# Altium PCB control_PWR_PCB.PcbDoc (part 2 of 2)
Units mm, origin at the board's own origin, x right, y up, seen from the top; angles counter-clockwise.
Board outline 70.25 x 108 mm, 4 copper layers (Top Layer, Layer 2, Layer 3, Bottom Layer), stack 1.369 mm thick; 119 components, 108 nets, 458 pads, 186 vias.
Unrouted connection lines stored in the file: 68.
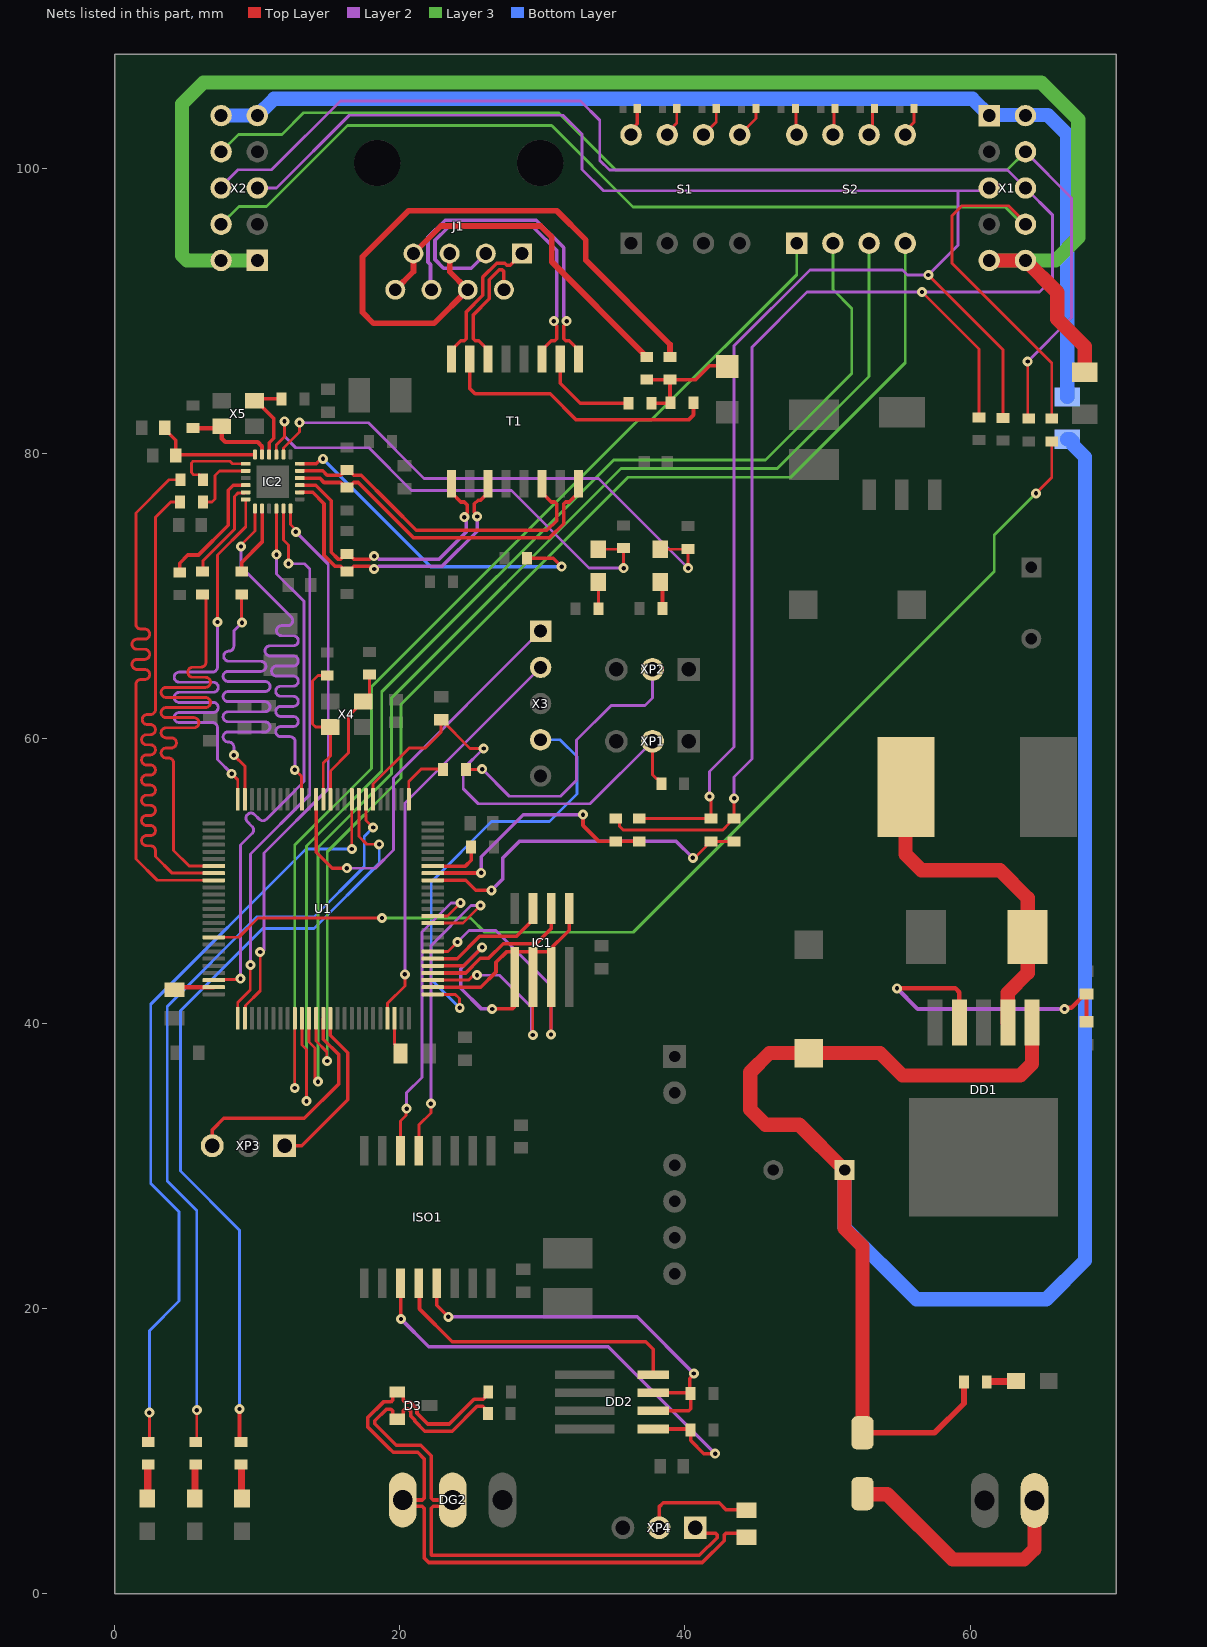
[diagram p4: the nets of this part, all layers, seen from the top]

## Via types
v1: diameter 0.8, hole 0.3, Top Layer to Bottom Layer, tented both sides, 101 vias
v2: diameter 0.7, hole 0.3, Top Layer to Bottom Layer, tented both sides, 85 vias

## Nets (pads, with @x,y where several pads share a name; then routed paths per layer and width w, separated by ;. In a path a pad name is that pad's centre, name@x,y a point inside that pad or via, vN(x,y) a via of type N, cw(c..) or ccw(c..) an arc to the next point about the centre after c; other vN are vias at no path point) (continued)
MAC_b4: S2.1 U1.59 | length 79.3
  Top Layer w0.2: v2(12.625,35.475) U1.59@12.625,40.37
  Layer 3 w0.2: v2(12.625,35.475) 12.625,52.525 18,57.9 18,63.625 36.7,82.325 37.625,82.325 47.84,92.54 S2.1@47.84,94.74
MAC_b5: S2.2 U1.60 | length 88.8
  Top Layer w0.2: U1.60@13.125,40.37 13.125,38.5 13.45,38.175 v2(13.45,34.55)
  Layer 3 w0.2: v2(13.45,34.55) 13.45,52.45 18.725,57.725 18.725,63.275 35,79.55 45.65,79.55 51.7,85.6 51.7,90.175 50.38,91.495 S2.2@50.38,94.74
MAC_b6: S2.3 U1.61 | length 86
  Top Layer w0.2: U1.61@13.625,40.37 13.625,38.7 14.05,38.275 14.05,36.042 14.167,35.925 v2(14.25,35.925)
  Layer 3 w0.2: v2(14.25,35.925) 14.25,52.35 19.4,57.5 19.4,62.825 35.525,78.95 46.475,78.95 52.92,85.395 S2.3@52.92,94.74
MAC_b7: S2.4 U1.62 | length 84.2
  Top Layer w0.2: U1.62@14.125,40.37 14.125,38.766 14.866,38.025 14.866,37.409 v2(14.9,37.375)
  Layer 3 w0.2: v2(14.9,37.375) 14.9,52.05 20.075,57.225 20.075,62.4 36,78.325 47.425,78.325 55.46,86.36 S2.4@55.46,94.74
NetC11_1: C11.1 U1.73 | length 2.6
  Top Layer w0.2: U1.73@19.625,40.37 19.625,38.525 20.05,38.1 C11.1@20.05,37.9
NetC14_2: C14.2 R23.2 U1.6 XP1.2 | length 34.3
  Top Layer w0.2: U1.6@18.125,55.73 18.125,56.8 20.658,59.333 21.617,59.333 21.783,59.333 22.892,60.442 22.892,61.317 C14.2@22.9,61.325 24.925,59.3 v2(25.875,59.3) ; XP1.2@37.725,59.8 37.725,57.45 38,57.175 38.1,57.175 38.35,56.925 R23.2@38.35,56.825
  Layer 2 w0.2: v2(25.875,59.3) 24.45,57.875 24.45,56.475 25.5,55.425 33.35,55.425 XP1.2@37.725,59.8
NetC15_2: C15.2 U1.12 X4.3 | length 9.9
  Top Layer w0.2: U1.12@15.125,55.73 15.125,57.725 16.4,59 16.4,61.575 16.875,62.05 16.875,62.15 17.325,62.6 X4.3@17.425,62.6 17.875,63.05 C15.2@17.875,64.475
NetC17_2: C17.2 U1.13 X4.1 | length 10.8
  Top Layer w0.2: U1.13@14.625,55.73 14.625,58.275 15.125,58.775 X4.1@15.125,60.8 14.1,60.8 13.875,61.025 13.875,64.025 14.267,64.417 14.892,64.417 C17.2@14.9,64.425
NetC23_1: C23.1 R36.1 R37.1 R38.1 R40.1 | length 9.1
  Top Layer w0.25: R38.1@37.325,85.17 R40.1@38.95,85.17 ; R36.1@37.65,83.525 38.975,83.525 R37.1@39,83.55 38.95,83.6 R40.1@38.95,85.17 ; C23.1@42.975,86.095 42.92,86.15 41.725,86.15 40.745,85.17 R40.1@38.95,85.17
NetC24_1: C24.1 C25.1 IC2.6 | length 7.9
  Top Layer w0.25: C25.1@3.5,81.8 3.5,81.7 4.275,80.925 C24.1@4.275,79.85 4.345,79.92 IC2.6@9.83,79.92
NetC29_2: C29.2 IC2.4 X5.3 | length 6.5
  Top Layer w0.25: IC2.4@10.83,79.92 10.83,80.755 11.15,81.075 11.15,82.45 9.9,83.7 X5.3@9.8,83.7 9.925,83.825 C29.2@11.7,83.825
NetC30_2: C30.2 U1.49 | length 2.8
  Top Layer w0.3: C30.2@4.2,42.375 4.375,42.55 U1.49@6.945,42.55
NetC34_2: C34.2 IC2.5 X5.1 | length 6.6
  Top Layer w0.3: C34.2@5.475,81.775 7.375,81.775 X5.1@7.5,81.9 7.5,81.05 7.75,80.8 10.025,80.8 10.33,80.495 IC2.5@10.33,79.92
NetD1_C: D1.C DD1.2 L1.P$1 | length 23.9
  Top Layer w1: L1.P$1@55.5,56.6 55.475,56.575 55.475,51.875 56.6,50.75 62.1,50.75 64.043,48.807 D1.C@64.043,46.075 64.043,43.543 62.65,42.15 DD1.2@62.65,40.075
NetD4_A: D4.A DG1.2 | length 17.7
  Top Layer w1: D4.A@52.45,7.015 52.49,6.975 54.2,6.975 58.786,2.389 63.789,2.389 64.525,3.125 DG1.2@64.525,6.537
NetDD1_4: DD1.4 R9.1 R10.1 | length 22.9
  Top Layer w0.3: v2(54.875,42.475) 58.974,42.475 59.25,42.199 DD1.4@59.25,40.075 ; v2(66.625,41.025) 66.702,41.102 67.102,41.102 68.075,42.075 R9.1@68.175,42.075 R10.1@68.175,40.125
  Layer 2 w0.3: v2(54.875,42.475) 56.325,41.025 v2(66.625,41.025)
NetDD2_1: DD2.1 ISO1.11 R15.2 | length 34.1
  Top Layer w0.25: ISO1.11@20.045,21.785 20.06,21.77 20.06,19.29 v2(20.075,19.275) ; DD2.1@37.775,11.555 40.32,11.555 R15.2@40.4,11.475 ; R15.2@40.4,11.575 R15.2@40.4,11.475 ; v2(42.125,9.825) 41.325,9.825 40.4,10.75 R15.2@40.4,11.475
  Layer 2 w0.25: v2(20.075,19.275) 22.025,17.325 34.625,17.325 v2(42.125,9.825)
NetDD2_2: DD2.2 DD2.3 ISO1.13 R16.2 | length 30
  Top Layer w0.25: ISO1.13@22.585,21.785 22.585,20.24 v2(23.4,19.425) ; DD2.2@37.775,12.825 40.254,12.825 40.4,12.971 R16.2@40.4,14.05 40.355,14.095 38.37,14.095 DD2.3@37.775,14.095 37.775,14.1 DD2.3@38.37,14.1 ; R16.2@40.345,14.095 40.345,15.093 40.625,15.373 v2(40.625,15.45)
  Layer 2 w0.25: v2(23.4,19.425) 36.65,19.425 v2(40.625,15.45)
NetDD2_4: DD2.4 ISO1.12 | length 21.2
  Top Layer w0.25: ISO1.12@21.315,21.785 21.375,21.725 21.375,19.975 23.675,17.675 37.25,17.675 37.775,17.15 DD2.4@37.775,15.365
NetIC1_1: IC1.1 U1.77 | length 13.1
  Top Layer w0.254: U1.77@22.305,42.55 25.675,42.55 26.743,43.618 26.743,44.293 27.475,45.025 30.35,45.025 31.88,46.555 IC1.1@31.88,48.075
NetIC1_2: IC1.2 U1.79 | length 11
  Top Layer w0.254: U1.79@22.305,43.55 24.614,43.55 25.639,44.575 26.225,44.575 27.25,45.6 29.55,45.6 30.61,46.66 IC1.2@30.61,48.075
NetIC1_3: IC1.3 U1.81 | length 9
  Top Layer w0.254: U1.81@22.305,44.55 24.018,44.55 25.591,46.123 28.188,46.123 29.34,47.275 IC1.3@29.34,48.075
NetIC1_5: IC1.5 U1.80 | length 14
  Top Layer w0.25: U1.80@22.305,44.05 24.475,44.05 v2(25.775,45.35) ; v2(26.475,41.025) 27.895,41.025 28.07,41.2 IC1.5@28.07,43.275
  Layer 2 w0.25: v2(25.775,45.35) 24.275,43.85 24.275,42.475 25.725,41.025 v2(26.475,41.025)
NetIC1_6: IC1.6 U1.78 | length 14.1
  Top Layer w0.2: U1.78@22.305,43.05 24.831,43.05 25.208,43.427 25.245,43.389 v2(25.411,43.389) ; v2(29.325,39.2) 29.325,43.26 IC1.6@29.34,43.275
  Layer 2 w0.2: v2(25.411,43.389) 26.986,43.389 29.229,41.146 29.229,39.296 v2(29.325,39.2)
NetIC1_7: IC1.7 U1.82 | length 18
  Top Layer w0.2: U1.82@22.305,45.05 23.375,45.05 v2(24.05,45.725) ; v2(30.6,39.225) 30.6,43.265 IC1.7@30.61,43.275
  Layer 2 w0.2: v2(24.05,45.725) 24.85,46.525 26.725,46.525 30.6,42.65 v2(30.6,39.225)
NetIC2_2: IC2.2 R44.1 VD6.A | length 37.5
  Top Layer w0.2: IC2.2@11.83,79.92 11.83,80.388 12.948,81.505 12.948,82.141 v2(12.961,82.154) ; VD6.A@38.275,73.275 40.2,73.275 R44.1@40.225,73.3 v2(40.225,71.95)
  Layer 2 w0.2: v2(12.961,82.154) 17.796,82.154 21.7,78.25 33.925,78.25 v2(40.225,71.95)
NetIC2_3: IC2.3 R43.1 VD5.A | length 34.5
  Top Layer w0.2: IC2.3@11.33,79.92 11.33,80.596 11.9,81.166 v2(11.9,82.25) ; VD5.A@33.925,73.275 35.625,73.275 R43.1@35.7,73.35 v2(35.7,71.95)
  Layer 2 w0.2: v2(11.9,82.25) 11.9,81.2 12.7,80.4 17.825,80.4 20.825,77.4 27.825,77.4 33.275,71.95 v2(35.7,71.95)
NetIC2_7: IC2.7 R31.2 | length 5.7
  Top Layer w0.2: R31.2@6.2,78.15 6.2,78.25 5.95,78.5 5.525,78.5 5.375,78.65 5.375,79.333 5.492,79.45 8.075,79.45 8.25,79.275 IC2.7@9.185,79.275
NetIC2_8: IC2.8 R30.2 | length 4.9
  Top Layer w0.2: R30.2@6.175,76.6 6.825,76.6 7.025,76.8 7.025,78.45 7.35,78.775 IC2.8@9.185,78.775
NetIC2_10: IC2.10 R32.2 | length 9
  Top Layer w0.25: R32.2@4.55,71.65 4.55,72.3 5.125,72.875 5.875,72.875 7.95,74.95 7.95,77.425 8.3,77.775 IC2.10@9.185,77.775
NetIC2_11: IC2.11 R33.2 | length 7.1
  Top Layer w0.2: R33.2@6.15,71.7 6.175,71.725 6.175,72.45 8.4,74.675 8.4,76.975 8.66,77.235 9.145,77.235 IC2.11@9.185,77.275
NetIC2_14: IC2.14 R41.2 | length 5
  Top Layer w0.25: R41.2@8.9,71.7 8.9,72.35 10.33,73.78 IC2.14@10.33,76.13
NetIC2_24: IC2.24 R34.1 | length 24.3
  Top Layer w0.25: IC2.24@12.975,79.275 14.128,79.275 14.478,79.625 v2(14.6,79.625) ; R34.1@28.925,72.65 30.75,72.65 v2(31.35,72.05)
  Bottom Layer w0.25: v2(14.6,79.625) 22.175,72.05 v2(31.35,72.05)
NetJ1_4: J1.4 J1.5 R40.2 | length 44.2
  Top Layer w0.4: J1.5@23.49,94.025 23.49,92.755 J1.4@24.76,91.485 22.4,89.125 18.15,89.125 17.375,89.9 17.375,93.8 20.6,97.025 31,97.025 33.05,94.975 33.05,93.55 38.95,87.65 R40.2@38.95,86.77
NetJ1_7: J1.7 J1.8 R38.2 | length 25.1
  Top Layer w0.4: J1.8@19.68,91.485 20.95,92.755 J1.7@20.95,94.025 22.875,95.95 29.875,95.95 30.65,95.175 30.65,93.445 37.075,87.02 37.075,86.92 37.225,86.77 R38.2@37.325,86.77
NetR1_2: R1.2 S1.8 | length 2
  Top Layer w0.25: S1.8@36.22,102.36 36.22,102.698 36.65,103.128 R1.2@36.65,104.2
NetR2_2: R2.2 S1.7 | length 2.1
  Top Layer w0.2: S1.7@38.76,102.36 38.76,102.515 39.425,103.18 R2.2@39.425,104.2
NetR3_2: R3.2 S1.6 | length 2.2
  Top Layer w0.2: S1.6@41.3,102.36 42.2,103.26 R3.2@42.2,104.2
NetR4_2: R4.2 S1.5 | length 2.3
  Top Layer w0.2: S1.5@43.84,102.36 44.975,103.495 R4.2@44.975,104.2
NetR5_2: R5.2 S2.8 | length 1.9
  Top Layer w0.2: R5.2@47.75,104.2 47.795,104.155 47.795,102.405 S2.8@47.84,102.36
NetR6_2: R6.2 S2.7 | length 1.9
  Top Layer w0.2: S2.7@50.38,102.36 50.452,102.433 50.452,104.128 R6.2@50.525,104.2
NetR7_2: R7.2 S2.6 | length 2
  Top Layer w0.2: S2.6@52.92,102.36 53.15,102.59 53.15,104.05 R7.2@53.3,104.2
NetR8_2: R8.2 S2.5 | length 2.1
  Top Layer w0.2: S2.5@55.46,102.36 55.46,102.615 56.075,103.23 R8.2@56.075,104.2
NetR12_2: R12.2 XP4.2 | length 7.9
  Top Layer w0.25: XP4.2@38.185,4.625 38.185,6.085 38.475,6.375 42.4,6.375 42.9,5.875 44.3,5.875 R12.2@44.325,5.85
NetR14_1: R14.1 X1.1 X1.2 X2.9 X2.10 | length 79.3
  Bottom Layer w1: X2.10@7.46,103.7 X2.9@10,103.7 11.175,104.875 60.175,104.875 X1.1@61.35,103.7 ; X1.1@61.35,103.75 65.45,103.75 66.825,102.375 R14.1@66.825,83.95
NetR17_1: R17.1 X1.9 X1.10 X2.1 X2.2 | length 107.9
  Top Layer w1: X1.9@61.35,93.54 X1.10@63.89,93.54 66.125,91.305 66.125,89.425 68.05,87.5 R17.1@68.05,85.7
  Layer 3 w1: X2.1@10,93.54 X2.2@7.46,93.54 5.061,93.54 4.709,93.891 4.709,104.509 6.225,106.025 65,106.025 67.6,103.425 67.6,95.15 65.99,93.54 X1.10@63.89,93.54 X1.9@61.35,93.54
NetR19_1: R19.1 VD1.A | length 2.1
  Top Layer w0.5: R19.1@61.175,14.85 61.212,14.888 63.188,14.888 VD1.A@63.225,14.925
NetR20_2: R20.2 U1.94 | length 3.8
  Top Layer w0.25: U1.94@22.305,51.05 24.6,51.05 25,51.45 R20.2@25,52.375
NetR21_1: R21.1 U1.7 | length 54.5
  Top Layer w0.2: R21.1@5.675,10.65 5.75,10.725 v2(5.75,12.875) ; U1.7@17.625,55.73 17.625,54.25 v2(18.125,53.75)
  Bottom Layer w0.2: v2(5.75,12.875) 5.75,26.875 3.675,28.95 3.675,41.2 9.95,47.475 13.975,47.475 17.5,51 17.5,53.125 v2(18.125,53.75)
NetR21_2: R21.2 VD2.K | length 2.4
  Top Layer w0.5: VD2.K@5.6,6.675 5.637,6.712 5.637,9.013 R21.2@5.675,9.05
NetR22_1: R22.1 U1.8 | length 55.8
  Top Layer w0.2: U1.8@17.125,55.73 17.125,53.125 17.675,52.575 v2(18.55,52.575)
  Top Layer w0.25: v2(8.75,12.95) 8.75,10.75 R22.1@8.85,10.65
  Bottom Layer w0.2: v2(8.75,12.95) 8.75,25.5 4.6,29.65 4.6,40.9 10.375,46.675 13.975,46.675 18.55,51.25 v2(18.55,52.575)
NetR22_2: R22.2 VD3.K | length 2.4
  Top Layer w0.5: R22.2@8.85,9.05 8.887,9.012 8.887,6.713 VD3.K@8.925,6.675
NetR24_1: R24.1 U1.9 | length 54.5
  Top Layer w0.2: R24.1@2.35,10.65 2.425,10.725 v2(2.425,12.7) ; v2(16.625,52.25) 16.625,52.575 U1.9@16.625,55.73
  Bottom Layer w0.2: v2(2.425,12.7) 2.425,18.45 4.5,20.525 4.5,26.8 2.525,28.775 2.525,41.35 13.425,52.25 v2(16.625,52.25)
NetR24_2: R24.2 VD4.K | length 2.4
  Top Layer w0.5: VD4.K@2.275,6.675 2.312,6.712 2.312,9.013 R24.2@2.35,9.05
NetR35_2: R35.2 VD5.K | length 1.9
  Top Layer w0.2: R35.2@33.925,69.1 VD5.K@33.925,70.975
NetR36_2: R36.2 T1.10 | length 7.1
  Top Layer w0.25: T1.10@31.25,86.633 31.25,84.925 32.65,83.525 R36.2@36.05,83.525
NetR37_2: R37.2 T1.15 | length 19.7
  Top Layer w0.25: T1.15@24.9,86.633 24.9,84.55 25.275,84.175 30.55,84.175 32.375,82.35 40.25,82.35 40.6,82.7 R37.2@40.6,83.55
NetR39_1: R39.1 XP2.2 | length 20.4
  Top Layer w0.2: R39.1@24.625,57.825 25.75,57.825 v2(25.775,57.85)
  Layer 2 w0.2: v2(25.775,57.85) 27.675,55.95 31.275,55.95 32.4,57.075 32.4,59.9 34.825,62.325 37.2,62.325 37.725,62.85 XP2.2@37.725,64.85
NetR39_2: R39.2 U1.1 | length 4
  Top Layer w0.2: U1.1@20.625,55.73 20.625,56.975 21.5,57.85 23,57.85 R39.2@23.025,57.825
NetR42_2: R42.2 VD6.K | length 1.9
  Top Layer w0.25: VD6.K@38.275,70.975 38.425,70.825 R42.2@38.425,69.125
NetR45_1: R45.1 R46.1 U1.93 | length 18.1
  Top Layer w0.25: U1.93@22.305,50.55 22.318,50.562 25.688,50.562 v2(25.7,50.575) ; v2(32.85,54.65) 32.85,53.9 33.975,52.775 R45.1@35.15,52.775 R46.1@36.8,52.775
  Layer 2 w0.25: v2(25.7,50.575) 25.7,51.7 28.65,54.65 v2(32.85,54.65)
NetR47_1: R47.1 R48.1 U1.92 | length 24.7
  Top Layer w0.2: v2(40.55,51.625) 40.675,51.625 41.475,52.425 41.475,52.525 41.725,52.775 R47.1@41.825,52.775 R48.1@43.45,52.775
  Top Layer w0.25: U1.92@22.305,50.05 24.625,50.05 25.325,49.35 v2(26.425,49.35)
  Layer 2 w0.25: v2(26.425,49.35) 27.23,50.155 27.23,51.63 28.375,52.775 39.4,52.775 v2(40.55,51.625)
NetR51_2: R51.2 X1.8 X2.4 | length 85.3
  Top Layer w0.2: X1.8@63.89,96.08 63.89,96.185 62.7,97.375 59.45,97.375 58.725,96.65 58.725,93.35 65.732,86.343 R51.2@65.732,82.45
  Layer 3 w0.2: X2.4@7.46,96.08 8.705,97.325 10.65,97.325 16.325,103 30.65,103 36.35,97.3 62.475,97.3 63.695,96.08 X1.8@63.89,96.08
NetR52_2: R52.2 X1.4 X2.8 | length 81.1
  Top Layer w0.2: v2(64.05,86.45) 64.05,82.525 R52.2@64.125,82.45
  Layer 2 w0.2: X1.4@63.89,101.16 67.125,97.925 67.125,89.525 v2(64.05,86.45)
  Layer 3 w0.2: X2.8@7.46,101.16 8.675,102.375 11.725,102.375 13.25,103.9 31.125,103.9 35.15,99.875 62.605,99.875 X1.4@63.89,101.16
NetU1_72: U1.72 X3.2 | length 29.1
  Top Layer w0.2: U1.72@19.125,40.37 19.137,40.382 19.137,41.423 20.35,42.636 v2(20.35,43.45)
  Layer 2 w0.2: v2(20.35,43.45) 20.35,55.465 X3.2@29.875,64.99
NetU1_76: U1.76 X3.4 | length 30.8
  Top Layer w0.2: U1.76@22.305,42.05 23.875,42.05 24.175,41.75 24.175,41.125 v2(24.2,41.1)
  Bottom Layer w0.2: v2(24.2,41.1) 22.2,43.1 22.2,49.937 26.437,54.175 30.5,54.175 32.425,56.1 32.425,58.725 31.24,59.91 X3.4@29.875,59.91
P1_RX_N: IC2.22 R26.1 T1.8 | length 24.3
  Top Layer w0.25: IC2.22@12.975,78.275 12.979,78.271 14.371,78.271 14.682,77.96 15.843,77.96 15.975,77.829 15.975,77.825 16.2,77.6 16.4,77.6 16.761,77.96 17.081,77.96 18.834,76.208 20.943,74.098 30.525,74.098 31.502,75.076 31.502,76.458 31.634,76.589 31.875,76.589 32.52,77.235 T1.8@32.52,77.867
P1_RX_P: IC2.23 R27.1 T1.6 | length 23.5
  Top Layer w0.25: IC2.23@12.975,78.775 14.58,78.775 14.89,78.464 15.843,78.464 15.975,78.596 15.975,78.6 16.2,78.825 16.4,78.825 16.761,78.464 17.29,78.464 19.338,76.416 21.152,74.602 30.316,74.602 30.998,75.284 30.998,76.458 30.866,76.589 30.625,76.589 29.98,77.235 T1.6@29.98,77.867
P1_TX_N: IC2.20 R28.1 T1.3 | length 22.1
  Top Layer w0.25: IC2.20@12.975,77.275 12.979,77.271 13.883,77.271 14.675,76.479 14.675,72.858 15.448,72.085 15.843,72.085 15.975,71.954 15.975,71.95 16.2,71.725 R28.1@16.3,71.725 16.4,71.725 16.625,71.95 16.625,71.954 16.757,72.086 16.998,72.086 17.88,72.085 18.078,71.887 v2(18.2,71.887) ; v2(25.424,75.568) 25.424,75.69 25.226,75.887 25.226,76.458 25.49,76.722 25.657,76.722 26.17,77.235 T1.3@26.17,77.867
  Layer 2 w0.25: v2(18.2,71.887) 18.322,71.887 18.52,72.085 22.961,72.085 25.424,74.548 v2(25.424,75.568)
P1_TX_P: IC2.21 R29.1 T1.1 | length 21.3
  Top Layer w0.25: IC2.21@12.975,77.775 14.091,77.775 15.179,76.687 15.179,73.067 15.657,72.589 15.843,72.589 15.975,72.721 15.975,72.725 16.2,72.95 R29.1@16.3,72.95 16.4,72.95 16.625,72.725 16.625,72.721 16.757,72.59 17.207,72.59 17.88,72.589 18.078,72.787 v2(18.2,72.787) ; T1.1@23.63,77.867 23.63,77.235 24.275,76.59 24.516,76.59 24.722,76.384 24.722,75.845 24.525,75.647 v2(24.525,75.525)
  Layer 2 w0.25: v2(18.2,72.787) 18.322,72.787 18.52,72.589 22.752,72.589 24.669,74.506 24.669,75.259 24.525,75.404 v2(24.525,75.525)
RESET: U1.14 X3.1 | length 29.8
  Top Layer w0.25: U1.14@14.125,55.73 14.125,52.025 15.25,50.9 v2(16.275,50.9)
  Layer 2 w0.2: v2(16.275,50.9) 18.275,50.9 19.55,52.175 19.55,57.205 X3.1@29.875,67.53
RESET_OUT: R51.1 U1.42 | length 77
  Top Layer w0.2: U1.42@6.945,46.05 8.7,46.05 10.05,47.4 v2(18.75,47.4) ; v2(64.625,77.2) 65.732,78.307 R51.1@65.732,80.85
  Layer 3 w0.2: v2(18.75,47.4) 24.95,47.4 25.95,46.4 36.375,46.4 61.7,71.725 61.7,74.275 v2(64.625,77.2)
RMII_CRS_DV: R33.1 U1.32 | length 39.9
  Top Layer w0.2: R33.1@6.15,70.1 6.225,70.025 6.4,69.85 6.4,65.355 cw(c6.046,65.355) 6.046,65.001 5.471,65.001 ccw(c5.471,64.647) 5.471,64.293 6.358,64.293 cw(c6.358,63.939) 6.358,63.585 3.604,63.585 ccw(c3.604,63.231) 3.604,62.877 6.358,62.877 cw(c6.358,62.523) 6.358,62.169 3.604,62.169 ccw(c3.604,61.815) 3.604,61.461 5.546,61.461 cw(c5.546,61.107) 5.546,60.753 3.604,60.753 ccw(c3.604,60.399) 3.604,60.045 3.968,60.045 cw(c3.968,59.691) 3.968,59.337 3.604,59.337 ccw(c3.604,58.983) 3.604,58.629 3.771,58.629 cw(c3.771,58.275) 4.125,58.275 4.125,58.175 4.125,52.15 5.225,51.05 U1.32@6.945,51.05
RMII_MDC: IC2.13 U1.16 | length 39.3
  Top Layer w0.2: v2(8.85,73.463) 8.85,73.575 9.83,74.555 IC2.13@9.83,76.13 ; v2(12.625,57.8) 12.65,57.8 13.1,57.35 13.1,55.755 U1.16@13.125,55.73
  Layer 2 w0.2: v2(8.85,73.463) 8.85,72.05 10.152,70.748 12.379,68.521 cw(c12.128,68.271) 12.128,67.917 11.698,67.917 ccw(c11.698,67.563) 11.698,67.209 12.521,67.209 cw(c12.521,66.855) 12.521,66.501 10.885,66.501 ccw(c10.885,66.147) 10.885,65.793 12.521,65.793 cw(c12.521,65.439) 12.521,65.085 11.354,65.085 ccw(c11.354,64.731) 11.354,64.377 12.521,64.377 cw(c12.521,64.023) 12.521,63.669 11.644,63.669 ccw(c11.644,63.315) 11.644,62.961 12.521,62.961 cw(c12.521,62.607) 12.521,62.253 11.644,62.253 ccw(c11.644,61.899) 11.644,61.545 12.521,61.545 cw(c12.521,61.191) 12.521,60.837 11.644,60.837 ccw(c11.644,60.483) 11.644,60.129 12.296,60.129 cw(c12.296,59.775) 12.65,59.775 12.65,59.675 12.65,57.825 v2(12.625,57.8)
RMII_MDIO: IC2.12 U1.25 | length 39.1
  Top Layer w0.2: v2(7.2,68.175) 7.2,72.875 9.185,74.86 IC2.12@9.185,76.775 ; v2(8.2,57.525) 8.625,57.1 U1.25@8.625,55.73
  Layer 2 w0.2: v2(7.2,68.175) 7.2,67.209 7.2,65.009 cw(c6.846,65.009) 6.846,64.655 4.521,64.655 ccw(c4.521,64.301) 4.521,63.947 6.905,63.947 cw(c6.905,63.593) 6.905,63.239 4.521,63.239 ccw(c4.521,62.885) 4.521,62.531 6.901,62.531 cw(c6.901,62.177) 6.901,61.823 4.521,61.823 ccw(c4.521,61.469) 4.521,61.115 6.846,61.115 cw(c6.846,60.761) 7.2,60.761 7.2,60.661 7.2,58.525 v2(8.2,57.525)
RMII_REF_CLK: R41.1 U1.24 | length 39.1
  Top Layer w0.2: v2(8.35,58.825) 9.125,58.05 U1.24@9.125,55.73 ; R41.1@8.9,70.1 8.9,68.15 v2(8.925,68.125)
  Layer 2 w0.2: v2(8.35,58.825) 8.35,59.3 8.35,59.4 ccw(c7.996,59.4) 7.996,59.754 7.954,59.754 cw(c7.954,60.108) 7.954,60.462 10.536,60.462 ccw(c10.536,60.816) 10.536,61.17 7.954,61.17 cw(c7.954,61.524) 7.954,61.878 10.536,61.878 ccw(c10.536,62.232) 10.536,62.586 7.954,62.586 cw(c7.954,62.94) 7.954,63.294 10.536,63.294 ccw(c10.536,63.648) 10.536,64.002 7.954,64.002 cw(c7.954,64.356) 7.954,64.71 10.246,64.71 ccw(c10.246,65.064) 10.246,65.418 7.996,65.418 cw(c7.996,65.772) 7.996,66.126 ccw(c7.996,66.48) 8.35,66.48 8.35,67.524 8.35,67.55 v2(8.925,68.125)
RMII_RXD0: R30.1 U1.33 | length 39.9
  Top Layer w0.2: R30.1@4.575,76.6 3.925,76.6 2.85,75.525 2.85,67.15 2.85,62.037 cw(c2.496,62.037) 2.496,61.683 2.277,61.683 ccw(c2.277,61.329) 2.277,60.975 2.496,60.975 cw(c2.496,60.621) 2.496,60.267 2.229,60.267 ccw(c2.229,59.913) 2.229,59.559 2.496,59.559 cw(c2.496,59.205) 2.496,58.851 2.229,58.851 ccw(c2.229,58.497) 2.229,58.143 2.496,58.143 cw(c2.496,57.789) 2.496,57.435 2.229,57.435 ccw(c2.229,57.081) 2.229,56.727 2.496,56.727 cw(c2.496,56.373) 2.496,56.019 2.229,56.019 ccw(c2.229,55.665) 2.229,55.311 2.496,55.311 cw(c2.496,54.957) 2.496,54.603 2.229,54.603 ccw(c2.229,54.249) 2.229,53.895 2.496,53.895 cw(c2.496,53.541) 2.496,53.187 2.229,53.187 ccw(c2.229,52.833) 2.229,52.479 2.496,52.479 cw(c2.496,52.125) 2.85,52.125 2.85,52.025 2.85,51.725 4.025,50.55 U1.33@6.945,50.55
RMII_RXD1: R31.1 U1.34 | length 39.6
  Top Layer w0.2: R31.1@4.6,78.15 3.8,78.15 1.475,75.825 1.475,73.475 1.475,68.031 ccw(c1.829,68.031) 1.829,67.677 2.096,67.677 cw(c2.096,67.323) 2.096,66.969 1.554,66.969 ccw(c1.554,66.615) 1.554,66.261 2.096,66.261 cw(c2.096,65.907) 2.096,65.553 1.554,65.553 ccw(c1.554,65.199) 1.554,64.845 2.096,64.845 cw(c2.096,64.491) 2.096,64.137 1.829,64.137 ccw(c1.829,63.783) 1.475,63.783 1.475,62.975 1.475,51.55 2.975,50.05 U1.34@6.945,50.05
RMII_TX_EN: IC2.16 U1.48 | length 39.3
  Top Layer w0.2: U1.48@6.945,43.05 6.985,43.09 8.765,43.09 v2(8.825,43.15) ; IC2.16@11.33,76.13 11.34,76.12 11.34,72.91 v2(11.35,72.9)
  Layer 2 w0.2: v2(8.825,43.15) 8.825,52.525 9.563,53.262 9.633,53.333 ccw(c9.383,53.584) 9.633,53.834 9.306,54.161 cw(c9.557,54.411) 9.306,54.661 cw(c9.557,54.411) 9.807,54.661 10.134,54.334 ccw(c10.384,54.585) 10.634,54.334 11.987,55.687 13.275,56.975 13.275,69.625 11.35,71.55 v2(11.35,72.9)
RMII_TXD0: IC2.17 U1.51 | length 40
  Top Layer w0.2: U1.51@8.6,39.705 8.625,39.73 U1.51@8.625,40.37 8.625,41.475 9.5,42.35 9.5,44.075 v2(9.525,44.1) ; IC2.17@11.83,76.13 11.83,73.92 12.175,73.575 12.175,72.275 v2(12.187,72.263)
  Layer 2 w0.2: v2(9.525,44.1) 9.525,51.9 13.675,56.05 13.675,71.9 13.313,72.262 12.2,72.262 v2(12.187,72.263)
RMII_TXD1: IC2.18 U1.52 | length 39.4
  Top Layer w0.2: U1.52@9.1,40.345 9.165,40.41 9.165,41.265 10.2,42.3 v2(10.2,45.025) ; IC2.18@12.33,76.13 12.33,75.005 12.7,74.635 v2(12.7,74.5)
  Layer 2 w0.2: v2(10.2,45.025) 10.335,45.025 10.452,45.142 10.475,45.142 10.475,51.975 14.975,56.475 14.975,72.225 v2(12.7,74.5)
RS_N: D3.2 DG2.2 R11.2 XP4.1 | length 48.3
  Top Layer w0.25: R11.2@26.175,12.65 25.95,12.875 25.95,13.016 25.818,13.148 25.413,13.148 23.665,11.4 21.753,11.4 21.041,12.112 21.041,12.188 20.75,12.479 20.75,12.793 20.568,12.975 20.382,12.975 20.25,12.843 20.25,12.525 19.975,12.25 D3.2@19.825,12.25 19.78,12.25 19.505,12.525 19.505,12.816 19.373,12.948 19.057,12.948 18.235,12.126 18.235,11.919 19.502,10.652 19.737,10.417 21.458,10.417 22.202,9.673 22.202,6.705 22.334,6.573 DG2.2@23.7,6.573 23.25,6.124 22.334,6.124 22.202,5.992 22.202,4.626 22.202,2.717 22.229,2.69 41.015,2.69 42.258,3.933 42.258,4.12 42.126,4.251 41.099,4.251 XP4.1@40.725,4.625
RS_P: D3.1 DG2.1 R12.1 R13.2 | length 50.7
  Top Layer w0.25: R13.2@26.2,14.15 25.975,13.925 25.975,13.784 25.843,13.652 25.205,13.652 23.457,11.904 21.961,11.904 21.2,12.665 21.2,12.98 20.755,13.425 20.382,13.425 20.25,13.557 20.25,13.875 19.975,14.15 D3.1@19.825,14.15 19.78,14.15 19.505,13.875 19.505,13.584 19.373,13.452 18.848,13.452 17.731,12.335 17.731,11.71 19.233,10.208 19.529,9.913 21.25,9.913 21.698,9.464 21.698,6.705 21.566,6.573 DG2.1@20.2,6.573 20.65,6.124 21.566,6.124 21.698,5.992 21.698,4.417 21.698,2.508 22.02,2.186 41.224,2.186 42.762,3.724 42.762,4.12 42.894,4.251 44.024,4.251 R12.1@44.325,3.95
RX: ISO1.6 U1.87 | length 21.9
  Top Layer w0.2: ISO1.6@20.045,31.065 20.045,33.161 20.433,33.548 20.433,33.983 v2(20.475,34.025) ; U1.87@22.305,47.55 23.346,47.55 24.26,48.464 v2(24.26,48.465)
  Layer 2 w0.2: v2(20.475,34.025) 20.475,35.15 21.55,36.225 21.55,46.425 23.59,48.465 v2(24.26,48.465)
RX_1: U1.64 XP3.1 | length 12
  Top Layer w0.25: XP3.1@11.915,31.425 13.125,31.425 16.35,34.65 16.35,37.95 15.125,39.175 U1.64@15.125,40.37
RX_BUS: R25.1 R45.2 R48.2 X1.6 X2.6 | length 146.7
  Top Layer w0.2: R45.2@35.15,54.375 35.158,54.375 35.408,54.125 35.408,53.842 35.675,53.575 42.65,53.575 43.1,54.025 43.1,54.125 43.35,54.375 R48.2@43.45,54.375 v2(43.45,55.8) ; v2(56.625,91.325) 60.625,87.325 R25.1@60.625,82.525
  Layer 2 w0.2: X2.6@7.46,98.62 7.46,98.71 8.65,99.9 11,99.9 15.825,104.725 32.675,104.725 34.025,103.375 34.025,100.55 34.7,99.875 62.635,99.875 X1.6@63.89,98.62 65.8,96.71 65.8,92.25 64.875,91.325 v2(56.625,91.325) 48.575,91.325 44.7,87.45 44.7,58.55 43.45,57.3 v2(43.45,55.8)
TR_RX_N: J1.6 T1.9 | length 23.1
  Top Layer w0.25: v2(31.7,89.275) 31.7,89.153 31.502,88.955 31.502,88.042 31.634,87.91 31.875,87.91 32.52,87.265 T1.9@32.52,86.633
  Layer 2 w0.25: J1.6@22.22,91.485 22.15,91.555 22.15,93.25 21.975,93.425 21.975,95.159 23.183,96.367 29.567,96.367 31.49,94.444 31.49,94.27 31.502,94.258 31.502,89.595 31.7,89.397 v2(31.7,89.275)
TR_RX_P: J1.3 T1.11 | length 23.5
  Top Layer w0.25: T1.11@29.98,86.633 29.98,87.265 30.625,87.91 30.866,87.91 30.998,88.042 30.998,88.955 30.8,89.153 v2(30.8,89.275)
  Layer 2 w0.25: J1.3@26.03,94.025 25.006,93.001 23.066,93.001 22.466,93.601 22.466,94.955 23.386,95.875 29.364,95.875 30.998,94.241 30.998,89.595 30.8,89.397 v2(30.8,89.275)
TR_TX_N: J1.2 T1.14 | length 9.2
  Top Layer w0.25: T1.14@26.17,86.633 26.17,87.265 25.525,87.91 25.284,87.91 25.152,88.042 25.152,89.716 26.276,90.84 26.276,92.186 26.982,92.892 27.168,92.892 27.3,92.76 J1.2@27.3,91.485
TR_TX_P: J1.1 T1.16 | length 10.3
  Top Layer w0.25: T1.16@23.63,86.633 23.63,87.265 24.275,87.91 24.516,87.91 24.648,88.042 24.648,89.925 25.826,91.103 25.826,92.373 26.795,93.342 27.355,93.342 27.504,93.193 27.738,93.193 J1.1@28.57,94.025
TX: ISO1.5 U1.86 | length 23.2
  Top Layer w0.2: ISO1.5@21.315,31.065 21.353,31.103 21.353,32.903 22.175,33.725 v2(22.175,34.375) ; U1.86@22.305,47.05 24.425,47.05 v2(25.65,48.275)
  Layer 2 w0.2: v2(22.175,34.375) 22.175,45.462 24.988,48.275 v2(25.65,48.275)
TX_1: U1.63 XP3.3 | length 16.4
  Top Layer w0.25: XP3.3@6.835,31.425 6.85,31.44 6.85,32.55 7.65,33.35 13.3,33.35 15.725,35.775 15.725,37.8 14.625,38.9 U1.63@14.625,40.37
TX_BUS: R18.1 R46.2 R47.2 X1.5 X2.5 | length 131.1
  Top Layer w0.2: R46.2@36.8,54.375 R47.2@41.825,54.375 41.825,55.69 41.725,55.79 v2(41.725,55.925) ; v2(57.075,92.525) 62.325,87.275 R18.1@62.325,82.5
  Layer 2 w0.2: X2.5@10,98.62 11.345,98.62 16.45,103.725 31.45,103.725 32.775,102.4 32.775,99.925 34.275,98.425 59.15,98.425 ; v2(41.725,55.925) 41.725,57.675 43.45,59.4 43.45,87.55 48.775,92.875 55.257,92.875 55.607,92.525 v2(57.075,92.525) 59.15,94.6 59.15,98.425 ; X1.5@61.35,98.62 61.155,98.425 59.15,98.425
V_24pwr: C1.1 C35.1 D4.C DD1.1 R14.2 R19.2 | length 146
  Top Layer w0.4: D4.C@52.45,11.285 57.51,11.285 59.575,13.35 R19.2@59.575,14.85
  Top Layer w1: D4.C@52.45,11.285 52.45,24.375 51.2,25.625 C1.1@51.2,29.725 48.025,32.9 45.65,32.9 44.575,33.975 44.575,36.575 45.925,37.925 C35.1@48.675,37.925 53.688,37.925 55.263,36.35 63.525,36.35 64.35,37.175 DD1.1@64.35,40.075
  Bottom Layer w1: C1.1@51.2,29.725 51.2,25.7 56.25,20.65 65.35,20.65 68.075,23.375 68.075,79.75 67.225,80.6 67.225,80.825 67.05,81 R14.2@66.825,81
pads on no net: D2.6 ISO1.3 ISO1.14 J1. T1.4 T1.5 T1.12 T1.13 U1.2 U1.3 U1.4 U1.5 U1.15 U1.17 U1.18 U1.26 U1.29 U1.30 U1.31 U1.35 U1.36 U1.37 U1.38 U1.39 U1.40 U1.41 U1.44 U1.45 U1.46 U1.47 U1.53 U1.54 U1.65 U1.66 U1.67 U1.68 U1.69 U1.70 U1.71 U1.83 U1.84 U1.88 U1.89 U1.90 U1.91 U1.95 U1.96 U1.97 U1.98 XP1.3 XP4.3

## Polygon pours and split planes (outlines as drawn)
GND on Bottom Layer "GND" (solid, remove dead copper, pour order 17): 0,0 0,108 70.25,108 70.25,0
GND_ISO on Bottom Layer "GND_ISO" (solid, remove dead copper, pour order 0): 14.55,0 14.55,26.05 15.6,27.1 30.275,27.1 35.975,32.8 41.825,32.8 41.825,25.225 47.625,19.425 47.625,0
+3.3v on Bottom Layer "+3.3v" (solid, remove dead copper, pour order 4): 47,89.1 50.825,89.1 50.825,86.7 47,86.7
GND on Layer 3 "GND" (solid, remove dead copper, pour order 9): 0,0 0,108 70.25,108 70.25,0
GND_ISO on Layer 3 "GND_ISO" (solid, pour order 1): 14.55,0 14.55,26.05 15.6,27.1 30.275,27.1 35.975,32.8 41.825,32.8 41.825,25.225 47.625,19.425 47.625,0
+3.3v on Layer 3 "+3.3v" (solid, remove dead copper, pour order 3): 47,89.1 50.825,89.1 50.825,86.7 47,86.7
GND on Top Layer "GND" (solid, remove dead copper, pour order 18): 0,0 0,108 70.25,108 70.25,0
GND_ISO on Top Layer "GND_ISO" (solid, remove dead copper, pour order 6): 14.55,0 14.55,26.05 15.6,27.1 30.275,27.1 35.975,32.8 41.825,32.8 41.825,25.225 47.625,19.425 47.625,0
+3.3v on Top Layer "+3.3v" (solid, remove dead copper, pour order 7): 47,89.1 50.825,89.1 50.825,86.7 47,86.7
GND on Layer 2 "GND" (solid, remove dead copper, pour order 15): 0,0 0,108 70.25,108 70.25,0
GND_ISO on Layer 2 "GND_ISO" (solid, remove dead copper, pour order 2): 14.55,0 14.55,26.05 15.6,27.1 30.275,27.1 35.975,32.8 41.825,32.8 41.825,25.225 47.625,19.425 47.625,0
+3.3v on Layer 2 "+3.3v" (solid, remove dead copper, pour order 5): 47,89.1 50.825,89.1 50.825,86.7 47,86.7

## Keep-outs
Keep-Out Layer:
  the board outline again, w0.3

## Silkscreen, mask and mechanical layers (free items; w line width, h text height)
Top Overlay:
  lines w0.2: 14.55,0 14.55,26.075 15.6,27.125 30.275,27.125 35.975,32.825 41.825,32.825 41.825,25.25 47.625,19.45 47.625,0
  lines w0.3: 0,17.5 70.25,17.5 ; 0,90.5 15.025,90.5 ; 33.725,90.5 70.25,90.5
  text "0" at 35.879,91.854 h1
  text "1" at 38.604,91.854 h1
  text "2" at 40.979,91.854 h1
  text "3" at 43.554,91.854 h1
  text "5" at 47.404,91.854 h1
  text "4" at 50.004,91.854 h1
  text "6" at 52.629,91.854 h1
  text "7" at 55.379,91.854 h1
  text "R" at 27.821,67.779 h1 r90
  text "G  S +3.3" at 34.229,66.954 h1
  text "bat +" at 36.804,61.704 h1
  text "SWD" at 27.846,61.354 h1 r90
  text "+3v" at 30.296,52.729 h1 r90
  text "RX" at 35.904,50.529 h1
  text "TX" at 42.579,50.529 h1
  text "TX  G  RX" at 5.129,28.279 h1
  text "A  B  G_iso" at 18.179,15.621 h1
  text "G  +24" at 59.879,12.429 h1
  text "Terminator" at 33.529,6.529 h1
  text "RS485" at 16.946,3.879 h1 r90